# Allegro board parallella_layout.brd (continued)
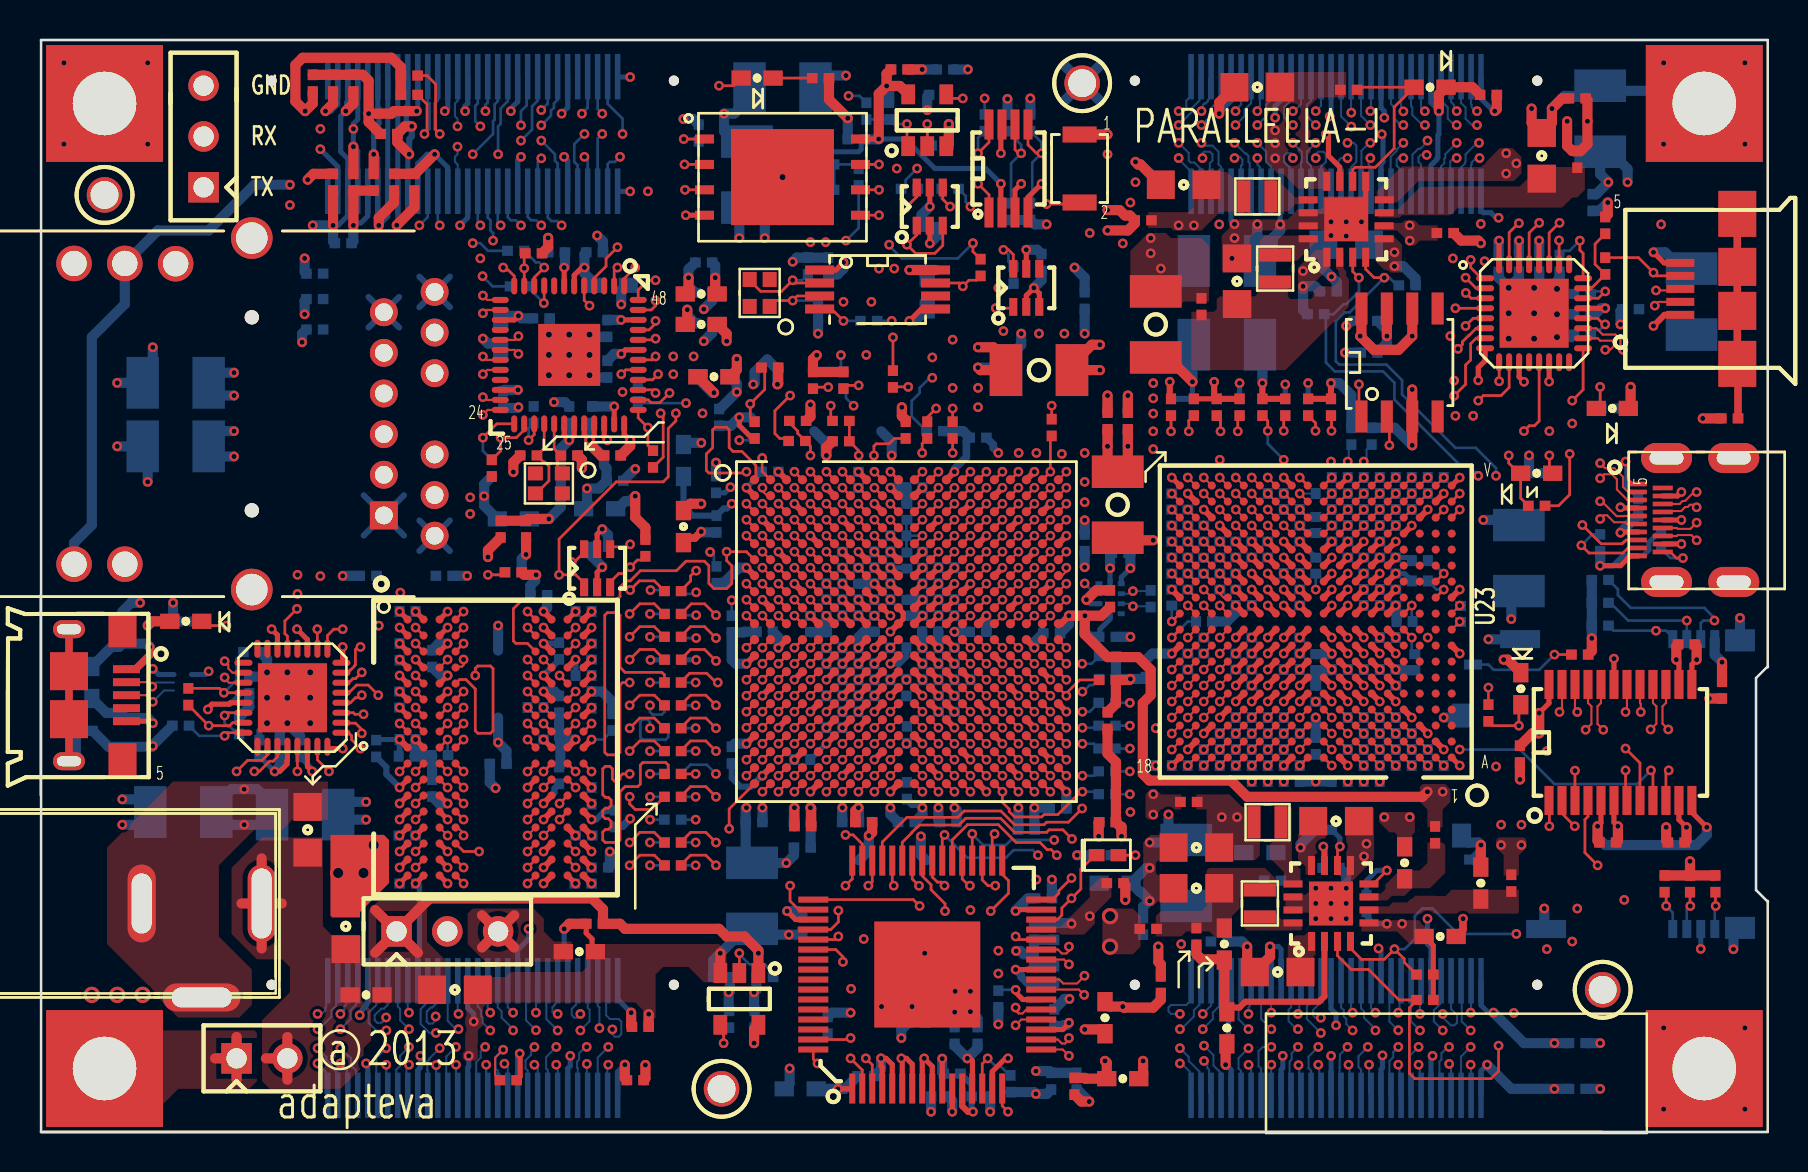
[diagram p0: board, top side]
## Routing (per net, layer and track width the routed paths; a pad name or vN(x,y) marks a point on that pad's centre or on a via; arc(x,y) is an arc through that point) (continued)
I2C_SCL: length 141.7
  TOP w0.133: v1(79.3,19.18) 80.02,18.46 U37.8 ; v1(65.97,42.72) 65.66,43.03 U30.3 ; U26.35 47.13,12.6 47.41,12.32 v1(47.78,12.32)
  L3_SIG w0.108: v1(71.94,32.82) 71.94,32.13 76.02,28.04 76.02,25.93 74.86,24.77 74.86,23.37 75.36,22.86 76.25,22.86 78.79,20.32 78.79,19.68 v1(79.3,19.18)
  L5_SIG w0.108: v1(65.97,42.72) 65.23,43.46 64.67,43.46 62.16,45.97 57.08,45.97 55.04,48.01 50.85,48.01 50.6,48.26 48.95,48.26 48.66,48.55 44.77,48.55 44.12,49.2 35.74,49.2 35.32,48.78 29.03,48.78 v1(29.01,48.77) ; v1(79.3,19.18) 78.79,18.67 78.79,17.53 80,16.32 80,6.72 79.43,6.15 79.43,2.67 77.85,1.09 51.54,1.09 50.29,2.34 49.52,2.34 49.14,2.72 49.14,3.73 48.63,4.24 48.19,4.24 47.42,5 47.42,9.78 48.06,10.41 48.06,12.04 v1(47.78,12.32)
  BOTTOM w0.133: J13.3 28.39,48.41 28.5,48.51 28.76,48.51 v1(29.01,48.77) ; v1(65.97,42.72) 65.97,42.04 65.33,41.4 65.2,41.4 64.7,40.89 R284.2 64.32,40.81 64.32,38.48 64.76,38.04 67.17,38.04 67.74,37.47 67.74,36.63 71.05,33.32 71.43,33.32 v1(71.94,32.82)
I2C_SDA: length 125.2
  TOP w0.133: v1(67.24,42.72) 66.73,42.72 66.31,43.14 U30.4 ; v1(46.63,14.91) U26.36 ; U37.9 80.67,17.98 v1(80.57,18.08)
  L3_SIG w0.108: v1(80.57,18.08) 79.81,18.85 79.81,19.43 79.17,20.07 79.17,20.45 76.38,23.24 75.62,23.24 75.32,23.54 75.32,24.72 76.47,25.87 76.47,28.23 72.82,31.88 v1(72.82,32.82) ; v1(50.73,14.61) 51.36,15.24 52.25,15.24 54.41,17.4 55.04,17.4 55.43,17.78 56.62,17.78 57,18.16 57,18.48 57.24,18.72 58.36,18.72 58.6,18.96 58.6,19.31 58.83,19.53 70.6,19.53 v1(71.01,19.13)
  L5_SIG w0.108: v1(67.24,42.72) 65.89,44.07 64.57,44.07 62.28,46.35 57.33,46.35 55.43,48.26 55.43,48.64 55.04,49.02 54.28,49.02 53.65,48.39 50.98,48.39 50.85,48.51 49.84,48.51 49.58,48.77 49.58,49.02 49.2,49.4 46.66,49.4 46.41,49.15 44.76,49.15 44.25,49.66 43.47,49.66 43.23,49.9 42.53,49.9 42.34,50.09 41.38,50.09 40.95,49.66 35.61,49.66 35.11,49.15 29.9,49.15 v1(29.14,49.91)
  BOTTOM w0.133: v1(46.63,14.91) 46.63,14.9 47.17,14.35 48.31,14.35 48.57,14.61 v1(50.73,14.61) ; v1(80.57,18.08) 79.89,17.4 75.75,17.4 74.02,19.13 v1(71.01,19.13) ; J13.4 28.39,51.42 29.14,50.67 v1(29.14,49.91) ; R285.2 67.87,42.34 67.49,42.72 v1(67.24,42.72) 65.5,40.98 65.24,40.98 64.81,40.55 64.81,38.55 64.98,38.38 67.34,38.38 68.13,37.59 68.13,36.88 70.79,34.21 71.81,34.21 72.82,33.2 v1(72.82,32.82)
JTAG_BOOT_EN: length 24.5
  L5_SIG w0.108: v1(22.02,45.34) 22.79,46.1 27.36,46.1 27.87,45.59 30.79,45.59 31.68,44.7 33.45,44.7 34.22,43.94 39.68,43.94 v1(40.31,44.58)
  BOTTOM w0.133: v1(22.02,45.34) 21.89,45.47 J13.29 ; R97.2 40.95,45.21 v1(40.31,44.58)
JTAG_TCK: length 39.9
  TOP w0.133: U2.F9 v1(41.73,29.02)
  L8_SIG w0.108: v1(41.73,29.02) 42.14,29.42 42.14,34.23 41.92,34.44 41.92,38.27 v1(41.33,38.86)
  L10_SIG w0.108: v1(41.33,38.86) 40.87,38.4 38.66,38.4 37.95,39.12 36.12,39.12 34.85,40.39 32.57,40.39 32.23,40.73 32.21,40.73 31.68,41.26 31.68,41.4 31.1,41.98 28.77,41.98 27.61,40.82 24.77,40.82 22.77,42.82 22.77,43.7 22.15,44.32 22.15,44.58 21.88,44.85 19.5,44.85 19.48,44.83 v1(18.98,45.34)
  BOTTOM w0.133: v1(18.98,45.34) 19.39,45.76 J13.39
JTAG_TDI: length 50.1
  TOP w0.133: U2.G6 v1(39.33,28.22) ; R9.1 19.36,52.83 19.79,52.4 19.79,50.12 v1(19.99,49.91)
  L5_SIG w0.108: v1(21.52,30.91) 22.41,30.91 22.91,31.42 29.59,31.42 29.61,31.4 30.39,31.4 30.8,31.82 37.1,31.82 37.34,31.58 37.34,31.26 37.57,31.02 37.92,31.02 38.14,30.8 38.14,29.66 38.37,29.42 38.69,29.42 38.93,29.18 38.93,28.62 v1(39.33,28.22)
  L8_SIG w0.108: v1(21.52,30.91) 22.21,30.91 22.66,31.36 22.66,34.54 22.64,34.56 22.64,34.89 23.17,35.41 23.17,40.94 22.72,41.39 21.77,41.39 21.25,41.91 21.25,43.07 20.5,43.81 20.5,48.51 20.25,48.77 20.25,49.66 v1(19.99,49.91)
  BOTTOM w0.133: J13.38 19.89,51.59 19.74,51.44 19.74,50.16 v1(19.99,49.91)
JTAG_TDO: length 48.2
  TOP w0.133: R10.1 19.36,51.4 19.36,50.04 v1(19.23,49.91) ; U2.F6 v1(39.33,29.02)
  L5_SIG w0.108: v1(39.33,29.02) 39.33,29.1 38.93,29.5 38.93,30.78 38.69,31.02 38.37,31.02 38.13,31.26 38.13,31.58 37.89,31.82 37.57,31.82 37.34,32.06 37.34,32.38 37.1,32.62 34.72,32.62 34.7,32.64 34.37,32.64 34.34,32.62 31.29,32.62 31.08,32.83 30.75,32.83 30.53,32.62 29.19,32.62 28.36,31.78 22.77,31.78 22.34,31.36 21.9,31.36 v1(21.52,31.74)
  L8_SIG w0.108: v1(21.52,31.74) 21.52,35.04 21.77,35.29 22.41,35.29 22.79,35.67 22.79,40.06 22.47,40.37 21.64,40.37 21.01,41.01 21.01,42.67 19.48,44.2 19.48,47.75 19.23,48.01 v1(19.23,49.91)
  BOTTOM w0.133: v1(19.23,49.91) 19.48,50.16 19.48,51.44 19.39,51.53 J13.40
JTAG_TMS: length 45.7
  TOP w0.133: U2.J6 v1(39.33,26.62)
  L8_SIG w0.108: v1(38.53,44.5) 38.53,40.77 38.41,40.64 38.41,39.75 38.03,39.37 38.03,37.59 39.04,36.58 39.04,34.99 39.74,34.29 39.74,34.29 39.74,31.26 39.97,31.02 40.3,31.02 40.54,30.78 40.54,30.46 40.77,30.22 41.09,30.22 41.33,29.98 41.33,29.19 41.34,29.18 41.34,28.86 41.57,28.62 41.9,28.62 42.13,28.39 42.13,26.46 41.9,26.22 41.78,26.22 41.78,26.22 39.74,26.22 v1(39.33,26.62)
  L10_SIG w0.108: v1(19.99,45.34) 20.75,46.1 28.37,46.1 28.68,45.79 30.84,45.79 31.3,45.34 32.69,45.34 33.07,45.72 37.31,45.72 v1(38.53,44.5)
  BOTTOM w0.133: J13.37 19.89,45.44 v1(19.99,45.34)
MIO_VREF_501: length 3
  TOP w0.133: U2.E11 v1(44.14,29.82)
  BOTTOM w0.133: R63.1 43.34,29 C23.1 ; R63.1 43.34,30.59 R62.2 ; R63.1 43.34,29.82 v1(44.14,29.82)
Net_63: length 0.6
  TOP w0.133: 70.61,30.73 v1(71.01,31.13)
Net_64: length 0.6
  TOP w0.133: 70.61,31.53 v1(71.01,31.93)
Net_76: length 0.6
  TOP w0.133: 69.81,30.73 v1(70.21,31.13)
Net_610: length 0.6
  TOP w0.133: v1(18.79,21.23) 19.19,20.83 19.19,20.83
Net_611: length 0.6
  TOP w0.133: 26.39,20.03 v1(26.79,20.43)
Net_612: length 0.6
  TOP w0.133: 27.19,20.03 v1(27.59,20.43)
P0_USB_24M_REFCLK: length 56.8
  TOP w0.133: U12.26 v1(75.98,44.59)
  L3_SIG w0.108: v1(43.87,48.18) 45.01,47.04 45.01,39.37 45.39,38.99 45.77,38.99 47.42,40.64 50.09,40.64 50.98,41.53 50.98,45.21 54.16,48.39 54.16,50.16 55.68,51.69 72.95,51.69 73.59,51.05 73.59,49.66 75.62,47.62 75.62,45.65 75.6,45.63 75.6,44.96 v1(75.98,44.59)
  BOTTOM w0.133: R99.2 43.3,47.4 43.3,47.61 v1(43.87,48.18)
P0_USB_CLK: length 36.7
  TOP w0.133: U2.A11 v1(44.14,33.02) ; v1(71.55,43.61) 71.55,43.23 72.09,42.69 U12.1
  L5_SIG w0.108: v1(44.14,33.02) 44.57,33.45 44.57,34.4 45.52,35.36 46.98,35.36 49.47,37.85 49.47,40.2 51.18,41.91 58.9,41.91 59.62,41.2 63.49,41.2 64.19,41.9 67.86,41.9 70.16,44.2 70.97,44.2 v1(71.55,43.61)
P0_USB_CPEN: length 17.6
  TOP w0.133: U12.17 77.18,37.12 v1(76.63,36.58) ; U13.1 65.97,35.91 v1(65.97,37.39)
  L5_SIG w0.108: v1(65.97,37.39) 68.62,34.74 68.8,34.74 68.81,34.72 72.27,34.72 72.44,34.54 74.48,34.54 74.73,34.8 74.73,35.43 75.11,35.81 75.87,35.81 v1(76.63,36.58)
P0_USB_D0: length 37.9
  TOP w0.133: v1(71.31,41.96) 71.58,41.69 U12.3 ; U2.A14 v1(46.54,33.02)
  L5_SIG w0.108: v1(71.31,41.96) 72.44,41.96 72.7,41.71 72.7,39.29 71.81,38.4 70.35,38.4 69.4,39.36 69.4,39.8 68.49,40.71 65.08,40.71 64.17,39.8 58.6,39.8 58.11,40.29 53.99,40.29 53.61,39.9 52.91,39.9 51.74,38.73 51.74,38.23 50.74,37.22 50.74,37.2 48.13,34.59 47.64,34.59 47.4,34.36 46.75,34.36 46.47,34.08 46.47,33.08 v1(46.54,33.02)
P0_USB_D1: length 38.2
  TOP w0.133: U2.D15 v1(47.34,30.62) ; v1(70.79,41.19) U12.4
  L5_SIG w0.108: v1(47.34,30.62) 47.74,31.02 48.3,31.02 48.54,31.26 48.54,31.58 48.78,31.82 49.1,31.82 49.34,32.06 49.34,33.21 49.58,33.45 49.89,33.45 50.23,33.8 50.23,34.23 50.68,34.67 51.18,34.67 52.83,36.32 53.65,36.32 53.9,36.58 53.9,37.39 55.11,38.6 64.7,38.6 64.92,38.37 66.76,38.37 68.76,36.37 71.12,36.37 v1(71.68,35.81)
  L8_SIG w0.108: v1(70.79,41.19) 70.79,40.18 71.43,39.55 71.43,36.07 v1(71.68,35.81)
P0_USB_D2: length 34.9
  TOP w0.133: U12.5 71.69,40.69 v1(71.3,40.31) ; U2.A12 v1(44.94,33.02)
  L5_SIG w0.108: v1(71.3,40.31) 70.92,40.69 70.73,40.69 69.78,41.64 64.44,41.64 63.62,40.82 59.36,40.82 58.65,41.53 51.44,41.53 50.47,40.56 50.47,38.28 47.71,35.52 47.52,35.52 47.04,35.04 45.65,35.04 44.94,34.33 v1(44.94,33.02)
P0_USB_D3: length 39.6
  TOP w0.133: U2.F12 v1(44.94,29.02) ; U12.6 72.27,40.18 71.82,40.18 71.49,39.85 71.47,39.85 71.14,39.52 71.14,39.39 v1(70.92,39.17)
  L5_SIG w0.108: v1(70.92,39.17) 70.92,39.62 70.94,39.64 70.94,39.97 70.7,40.2 70.65,40.2 69.52,41.33 64.57,41.33 63.74,40.5 59.04,40.5 58.4,41.15 51.69,41.15 50.84,40.29 50.84,38.2 47.74,35.1 47.48,35.1 47.16,34.78 45.76,34.78 45.25,34.26 45.25,33.52 45.34,33.43 45.34,29.42 v1(44.94,29.02)
P0_USB_D4: length 32.7
  TOP w0.133: U2.C16 v1(48.14,31.42) ; U12.7 71.83,39.69 71.55,39.42 71.55,38.61 71.3,38.35 71.3,37.39 v1(70.73,36.82)
  L5_SIG w0.108: v1(70.73,36.82) 69.65,36.82 68.89,37.58 68.06,37.58 67.06,38.58 65.03,38.58 64.7,38.91 54.92,38.91 53.34,37.34 52.25,37.34 51.87,36.96 51.87,35.86 50.93,34.92 50.04,34.92 49.35,34.23 49.35,33.72 49.08,33.45 48.69,33.45 48.54,33.3 48.54,32.03 48.28,31.77 48.28,31.57 v1(48.14,31.42)
P0_USB_D5: length 45
  TOP w0.133: U2.A10 v1(42.53,33.02) ; U12.9 v1(72.98,37.54)
  L3_SIG w0.108: v1(72.25,43.55) 72.98,42.82 v1(72.98,37.54)
  L5_SIG w0.108: v1(72.25,43.55) 71.1,44.7 70.11,44.7 67.62,42.21 64.06,42.21 63.43,41.58 59.74,41.58 59.03,42.29 50.8,42.29 48.58,40.07 48.58,37.34 46.98,35.74 45.46,35.74 44.6,34.89 44.4,34.89 v1(42.53,33.02)
P0_USB_D6: length 39
  TOP w0.133: U2.E13 v1(45.74,29.82) ; U12.10 73.48,37.23 73.08,36.83 72.19,36.83 v1(71.94,36.58)
  L5_SIG w0.108: v1(71.94,36.58) 71.43,37.08 71.43,37.64 71.05,38.02 69.84,38.02 69.4,38.47 68.82,38.47 67.97,39.33 67.97,39.9 67.62,40.25 65.84,40.25 65.39,39.8 64.7,39.8 64.43,39.53 54.57,39.53 53.9,38.86 52.38,38.86 52.12,38.61 52.12,38.1 51.11,37.08 51.11,36.2 50.47,35.56 49.53,35.56 48.33,34.36 47.77,34.36 47.75,34.34 47.68,34.34 47.42,34.09 47.42,33.71 46.94,33.22 46.94,30.46 46.7,30.22 46.14,30.22 v1(45.74,29.82)
P0_USB_D7: length 35.4
  TOP w0.133: v1(74.22,35.05) 74.49,35.32 74.74,35.32 74.98,35.55 U12.13 ; U2.C18 v1(49.74,31.42)
  L5_SIG w0.108: v1(49.74,31.42) 49.93,31.61 49.99,31.61 50.2,31.82 50.7,31.82 50.93,32.06 50.93,32.38 51.17,32.62 51.54,32.62 51.74,32.82 51.74,34.21 52.83,35.31 54.79,35.31 55.17,35.69 55.17,37.64 55.48,37.95 64.71,37.95 64.82,37.83 66.28,37.83 68.95,35.17 72.05,35.17 72.57,35.69 73.59,35.69 v1(74.22,35.05)
P0_USB_DIR: length 46.5
  TOP w0.133: U12.31 73.48,44.98 73.95,45.45 v1(73.97,45.45) ; U2.C13 v1(45.74,31.42)
  L3_SIG w0.108: v1(70.67,43.69) 71.3,44.32 71.3,44.58 71.68,44.96 72.44,44.96 72.7,45.21 73.73,45.21 v1(73.97,45.45)
  L5_SIG w0.108: v1(45.74,31.42) 45.74,31.66 46.14,32.06 46.14,34.2 46.51,34.57 47.31,34.57 47.63,34.89 47.97,34.89 51.36,38.28 51.36,39.24 51.74,39.62 51.74,40.18 52.33,40.77 58.27,40.77 58.92,40.12 63.93,40.12 64.82,41.01 68.95,41.01 70.03,39.93 70.03,39.23 70.54,38.72 71.36,38.72 71.94,39.29 71.94,40.69 70.79,41.83 70.79,43.56 v1(70.67,43.69)
P0_USB_DN: length 8.3
  TOP w0.102: v1(79.17,39.12) 79.05,39.24 79.05,39.62 78.79,39.88 78.16,39.88 77.84,40.19 U12.19 ; v1(80.76,41.33) 80.95,41.51 J6.2
  L3_SIG w0.095: v1(79.17,39.12) 78.9,39.12 78.72,39.3 78.72,39.56 78.85,39.69 79.41,39.69 80.12,40.4 80.12,41.33 80.32,41.53 80.49,41.53 80.7,41.33 v1(80.76,41.33)
P0_USB_DP: length 8.2
  TOP w0.102: U12.18 77.91,39.69 78.03,39.57 78.67,39.57 78.72,39.52 78.72,39.3 78.53,39.12 v1(78.29,39.12) ; J6.3 81.96,42.09 v1(80.83,42.09)
  L3_SIG w0.095: v1(78.29,39.12) 78.41,39.24 78.41,39.74 78.67,40 79.29,40 79.82,40.53 79.82,41.46 80.44,42.09 v1(80.83,42.09)
P0_USB_FLAG: length 10.6
  TOP w0.133: R335.1 74.06,31.7 CR5.1 73.97,32.94 73.46,33.45 v1(73.46,33.83) ; U13.2 67.49,35.65 v1(67.49,34.34)
  L5_SIG w0.108: v1(67.49,34.34) 68,33.83 v1(73.46,33.83)
P0_USB_ID: length 4.1
  TOP w0.133: R85.2 79.95,43.73 v1(80.7,42.98) 80.86,42.81 J6.4
P0_USB_NXT: length 39.9
  TOP w0.133: U2.E16 v1(48.14,29.82) ; U12.2 71.83,42.19 v1(71.3,42.72)
  L3_SIG w0.108: v1(71.3,42.72) 71.81,42.21 71.81,40.01 71.6,39.8 v1(70.54,39.8)
  L5_SIG w0.108: v1(48.14,29.82) 48.54,30.22 49.1,30.22 49.34,30.46 49.34,31.58 49.58,31.82 49.9,31.82 50.14,32.06 50.14,33.25 50.6,33.71 50.6,34.04 50.98,34.42 51.44,34.42 52.83,35.81 54.28,35.81 54.86,36.39 54.86,37.84 55.3,38.28 64.7,38.28 64.89,38.09 66.54,38.09 68.81,35.81 v1(70.79,35.81)
  L8_SIG w0.108: v1(70.54,39.8) 70.33,39.6 70.33,36.27 v1(70.79,35.81)
P0_USB_STP: length 41.9
  TOP w0.133: v1(74.98,45.47) 74.48,44.96 U12.29 ; U2.C15 v1(47.34,31.42)
  L5_SIG w0.108: v1(47.34,31.42) 47.74,31.82 47.74,33.26 47.93,33.45 48.06,33.45 48.33,33.72 48.33,33.98 49.66,35.31 50.68,35.31 51.49,36.12 51.49,36.96 52.5,37.97 52.5,38.35 52.76,38.61 54.16,38.61 54.78,39.23 64.62,39.23 64.87,39.48 65.59,39.48 65.84,39.23 67.05,39.23 68.38,37.9 69.2,37.9 69.52,37.58 v1(70.73,37.58)
  L10_SIG w0.108: v1(70.73,37.58) 72.76,39.61 72.76,42.6 73.46,43.29 73.78,43.29 74.48,43.99 74.48,44.96 v1(74.98,45.47)
P0_VBUS: length 7.5
  TOP w0.305: v1(80.7,40.31) 81.25,40.86 J6.1
  TOP w0.508: U13.6 v1(68.63,39.8) 67.95,39.12 66.72,39.12 v1(66.03,39.8) 66.09,39.87 U13.8
P1_USB_24M_REFCLK: length 62.9
  TOP w0.133: v1(9.83,18.03) 10.38,18.59 11.1,18.59 11.38,18.86 U17.26
  L3_SIG w0.108: v1(9.83,18.03) 10.72,18.92 10.72,23.43 12.41,25.12 12.41,28.54 12.82,28.94 17.2,28.94 19.04,30.78 20.5,30.78 20.94,31.23 20.94,31.93 21.33,32.31 21.33,32.32 22.55,33.54 22.55,35.32 22.79,35.56 22.79,40.64 24.55,42.41 27.23,42.41 28.56,43.74 29.26,43.74 30.41,44.88 v1(30.41,47.04)
  L5_SIG w0.108: v1(46.54,46.28) 46.14,46.68 41.07,46.68 41.01,46.61 32.82,46.61 32.71,46.72 31.82,46.72 31.5,47.04 v1(30.41,47.04)
  BOTTOM w0.133: R110.2 46.3,46.81 46.3,46.51 v1(46.54,46.28)
P1_USB_CLK: length 47.6
  TOP w0.133: U2.B12 v1(44.94,32.22) ; v1(16.03,19.18) 15.59,19.62 15.59,19.81 15.43,19.97 U17.1
  L8_SIG w0.108: v1(14.02,27.8) 14.02,27.23 16.94,24.31 16.94,22.86 17.33,22.48 17.33,21.21 17.71,20.82 18.15,20.82 18.38,20.59 18.38,20.26 18.15,20.03 16.88,20.03 v1(16.03,19.18)
  L10_SIG w0.108: v1(44.94,32.22) 44.74,32.03 44.68,32.03 44.47,31.82 43.74,31.82 42.94,31.02 31.78,31.02 29.76,28.99 28.26,28.99 27.61,29.64 21.96,29.64 20.53,28.21 14.43,28.21 v1(14.02,27.8)
P1_USB_D0: length 37.2
  TOP w0.133: v1(16.18,20.89) 15.75,20.89 15.67,20.97 U17.3 ; U2.F13 v1(45.74,29.02)
  L10_SIG w0.108: v1(45.74,29.02) 45.74,28.78 45.33,28.38 45.33,28.06 45.1,27.82 44.78,27.82 44.53,27.58 44.53,27.26 44.29,27.02 43.93,27.02 43.68,26.76 43.68,25.77 43.33,25.42 42.38,25.42 41.96,25.01 35.67,25.01 35.67,25 35.09,25 34.39,24.3 32.65,24.3 32.59,24.37 28.2,24.37 27.87,24.03 20.1,24.03 19.29,23.23 17.82,23.23 17.11,22.51 16.04,22.51 15.67,22.15 15.67,21.39 15.69,21.39 v1(16.18,20.89)
P1_USB_D1: length 40.3
  TOP w0.133: U17.4 15.53,21.47 15.78,21.72 15.9,21.72 16.03,21.84 v1(16.09,21.84) ; U2.B15 v1(47.34,32.22)
  L10_SIG w0.108: v1(47.34,32.22) 46.93,31.82 46.93,30.46 46.7,30.22 46.38,30.22 46.13,29.98 46.13,28.06 45.89,27.82 45.57,27.82 45.33,27.58 45.33,27.26 45.09,27.02 44.77,27.02 44.53,26.78 44.53,25.61 44.06,25.13 43.49,25.13 42.98,24.62 42.37,24.62 42.37,24.63 35.17,24.63 34.56,24.02 28.77,24.02 27.98,23.23 20.22,23.23 20.16,23.17 20.16,23.16 19.99,22.99 19.99,22.66 19.76,22.43 17.32,22.43 17.2,22.3 16.55,22.3 v1(16.09,21.84)
P1_USB_D2: length 39.9
  TOP w0.133: v1(16.92,21.84) 16.41,22.35 15.84,22.35 15.45,21.97 U17.5 ; U2.D16 v1(48.14,30.62)
  L10_SIG w0.108: v1(48.14,30.62) 47.94,30.43 47.88,30.43 47.68,30.22 47.18,30.22 46.94,29.98 46.94,28.06 46.7,27.82 46.37,27.82 46.14,27.58 46.14,27.26 45.9,27.02 45.57,27.02 45.34,26.78 45.34,25.65 44.31,24.63 43.74,24.63 42.93,23.82 35.17,23.82 34.47,23.11 32.57,23.11 32.47,23.21 28.73,23.21 27.94,22.43 20.22,22.43 19.99,22.19 19.99,22.14 19.48,21.63 17.13,21.63 v1(16.92,21.84)
P1_USB_D3: length 39.4
  TOP w0.133: v1(16.09,22.99) 15.78,22.67 15.65,22.67 15.45,22.47 U17.6 ; U2.B14 v1(46.54,32.22)
  L3_SIG w0.108: v1(16.94,25.32) 15.74,25.32 15.61,25.2 15.61,23.11 15.74,22.99 v1(16.09,22.99)
  L10_SIG w0.108: v1(16.94,25.32) 17.25,25.63 19.41,25.63 20.25,26.47 32.52,26.47 32.54,26.44 33.89,26.44 34.46,27.02 41.9,27.02 42.14,27.26 42.14,27.58 42.38,27.82 42.7,27.82 42.93,28.06 42.93,28.07 43.55,28.69 43.55,29.04 43.93,29.42 44.29,29.42 44.53,29.66 44.53,29.98 44.77,30.22 45.09,30.22 45.33,30.46 45.33,30.78 45.57,31.02 45.89,31.02 46.13,31.26 46.13,31.58 46.54,31.98 v1(46.54,32.22)
P1_USB_D4: length 37.2
  TOP w0.133: U2.D14 v1(46.54,30.62) ; U17.7 15.37,22.97 15.51,23.1 15.53,23.1 15.75,23.31 15.75,23.34 15.78,23.37 15.78,24.13 15.9,24.26 v1(16.03,24.26)
  L10_SIG w0.108: v1(16.03,24.26) 16.26,24.03 19.33,24.03 20.13,24.83 27.99,24.83 28.36,25.2 34.53,25.2 34.72,25.39 41.87,25.39 42.14,25.66 42.14,25.98 42.37,26.22 42.86,26.22 43.3,26.66 43.3,27.14 43.97,27.82 44.29,27.82 44.53,28.06 44.53,28.4 44.75,28.62 45.1,28.62 45.33,28.86 45.33,29.98 45.57,30.22 45.89,30.22 46.3,30.62 v1(46.54,30.62)
P1_USB_D5: length 36.5
  TOP w0.133: v1(15.14,25.15) 14.7,25.15 14.38,24.83 U17.9 ; U2.C12 v1(44.94,31.42)
  L10_SIG w0.108: v1(44.94,31.42) 44.78,31.26 44.78,31.02 44.53,30.78 44.53,30.46 44.29,30.22 43.93,30.22 43.93,30.18 42.93,29.18 42.93,28.86 42.7,28.62 34.78,28.62 34.66,28.5 31.23,28.5 30.23,27.5 28.71,27.5 28.28,27.07 23.96,27.07 22.77,28.26 21.98,28.26 21.83,28.12 21.83,27.48 21.64,27.29 18.6,27.29 18.47,27.42 17.41,27.42 v1(15.14,25.15)
P1_USB_D6: length 38.3
  TOP w0.133: U2.B13 v1(45.74,32.22) ; v1(13.87,25.15) 13.87,24.17 U17.10
  L10_SIG w0.108: v1(13.87,25.15) 14.35,25.15 16.94,27.74 20.63,27.74 22.04,29.15 23.09,29.15 23.87,28.37 25.07,28.37 25.39,28.05 25.39,27.74 25.66,27.47 27.23,27.47 27.61,27.85 29.95,27.85 31.52,29.42 42.7,29.42 42.93,29.66 42.93,29.97 43.42,30.47 43.42,30.51 43.93,31.02 44.29,31.02 44.53,31.26 44.53,31.58 44.77,31.82 45.33,31.82 v1(45.74,32.22)
P1_USB_D7: length 38.6
  TOP w0.133: U17.13 12.38,24.8 12.25,24.93 12.25,25.55 v1(12.85,26.16) ; U2.B9 v1(41.73,32.22)
  L5_SIG w0.108: v1(41.73,32.22) 41.33,32.62 39.16,32.62 38.93,32.86 38.93,33.18 38.7,33.42 38.32,33.42 37.39,34.34 35.98,34.34 34.84,33.2 34.09,33.2 33.97,33.08 33.65,33.08 33.53,33.2 30.64,33.2 30.26,33.58 29.39,33.58 29.01,33.2 28.37,33.2 27.87,32.69 27.1,32.69 26.6,32.18 22.39,32.18 22.38,32.2 21.34,32.2 21.07,31.93 21.07,28.56 18.98,26.47 16.82,26.47 16.51,26.16 v1(12.85,26.16)
P1_USB_DIR: length 45.7
  TOP w0.133: U2.C17 v1(48.94,31.42) ; U17.31 13.88,18.61 v1(14.45,18.03)
  L10_SIG w0.108: v1(48.94,31.42) 48.53,31.02 48.53,30.4 48.35,30.22 47.97,30.22 47.73,29.98 47.73,28.06 47.5,27.82 47.18,27.82 46.94,27.58 46.94,27.26 46.7,27.02 46.38,27.02 46.14,26.78 46.14,25.66 45.9,25.42 45.58,25.42 44.54,24.38 44.54,24.06 44.3,23.82 43.98,23.82 43.17,23.02 35.17,23.02 35.03,22.88 32.42,22.88 32.36,22.94 29.3,22.94 27.99,21.63 20.11,21.63 19.74,21.26 19.74,19.48 18.85,18.59 15.01,18.59 v1(14.45,18.03)
P1_USB_DN: length 12.4
  TOP w0.102: v1(9.24,22.73) 9.24,22.68 9.45,22.47 U17.19 ; J7.2 5.4,22.49 v1(5.62,22.28)
  L10_SIG w0.095: v1(5.62,22.28) 5.87,22.02 6.28,22.02 6.91,22.66 6.91,23.47 7.8,24.36 10.09,24.36 10.47,23.98 10.47,23.11 10.16,22.81 9.31,22.81 v1(9.24,22.73)
  BOTTOM w0.102: v1(5.62,22.28) 5.82,22.48 6.7,22.48
P1_USB_DP: length 12.1
  TOP w0.102: J7.3 5.31,21.84 v1(5.64,21.51) ; U17.18 9.63,22.97 9.42,23.18 9.42,23.36 v1(9.24,23.55)
  L10_SIG w0.095: v1(5.64,21.51) 5.84,21.72 6.4,21.72 7.22,22.53 7.22,23.34 7.93,24.05 9.96,24.05 10.16,23.85 10.16,23.24 10.04,23.11 9.36,23.11 9.24,23.24 v1(9.24,23.55)
  BOTTOM w0.102: v1(5.64,21.51) 6.21,22.08 6.7,22.08
P1_USB_NXT: length 42.1
  TOP w0.133: v1(16.09,19.94) 16.09,20.13 15.78,20.45 15.1,20.45 U17.2 ; U2.A9 v1(41.73,33.02)
  L3_SIG w0.108: v1(16.09,19.94) 14.59,21.44 14.59,25.97 15,26.38 17.43,26.38 v1(18.02,26.97)
  L5_SIG w0.108: v1(41.73,33.02) 41.34,33.42 40.47,33.42 39.17,34.72 35.74,34.72 34.98,33.96 33.52,33.96 33.33,33.77 31.04,33.77 30.79,34.02 28.82,34.02 28.56,33.77 26.28,33.77 25.07,32.56 21.2,32.56 20.69,32.05 20.69,28.88 19.55,27.74 18.79,27.74 v1(18.02,26.97)
P1_USB_STP: length 42
  TOP w0.133: U2.E12 v1(44.94,29.82) ; v1(12.88,18.03) U17.29
  L10_SIG w0.108: v1(12.88,18.03) 12.88,18.35 15.04,20.51 15.04,23.11 15.54,23.61 15.54,24.43 15.94,24.83 18.15,24.83 18.16,24.82 18.6,24.82 18.61,24.83 19.43,24.83 20.22,25.63 21.9,25.63 22.1,25.83 23.6,25.83 23.8,25.63 29.21,25.63 29.34,25.5 32.44,25.5 32.49,25.45 34.2,25.45 34.98,26.22 41.9,26.22 42.14,26.46 42.14,26.78 42.38,27.02 42.7,27.02 42.93,27.26 42.93,27.58 43.93,28.58 43.93,28.62 44.3,28.62 44.53,28.86 44.53,29.18 44.94,29.58 v1(44.94,29.82)
PB_RESET_L: length 23.9
  TOP w0.133: SW2.2 51.92,46.41 v1(50.35,46.41) ; v1(46.92,47.42) 47.46,46.87 U34.1
  L5_SIG w0.108: v1(50.35,46.41) 47.93,46.41 v1(46.92,47.42)
  L8_SIG w0.108: v1(40.06,38.85) 39.78,39.13 39.78,45.36 41.07,46.66 42.22,46.66 42.47,46.91 42.47,47.8 v1(42.85,48.18) 43.61,47.42 v1(46.92,47.42)
  BOTTOM w0.133: R95.1 40.06,38.14 v1(40.06,38.85)
PHY_ACTIVITY: length 27.8
  L3_SIG w0.108: 4.24,28.4 8.65,32.8 8.65,33.74 9.32,34.42 10.26,34.42 15.29,39.45 15.29,41.66 17.06,43.42 20.64,43.42 21.26,42.8 v1(22.14,42.8)
  BOTTOM w0.133: v1(22.14,42.8) 22.64,42.29 R73.2
PHY_CNFG: length 1.7
  TOP w0.133: R74.1 24.22,43.89 v1(24.22,43.19) U9.11
PHY_LED0: length 2.5
  TOP w0.133: U9.10 24.72,42.73 v1(25.22,43.23)
  BOTTOM w0.133: v1(25.22,43.23) 24.97,43.48 24.81,43.48 R72.1
PHY_LED1: length 2.1
  TOP w0.133: v1(25.2,41.45) 25.22,41.47 U9.9
  BOTTOM w0.133: R73.1 24.36,42.29 v1(25.2,41.45)
PHY_LINK: length 23.4
  L3_SIG w0.108: 1.7,43.43 3.05,42.09 7.8,42.09 8.82,43.1 14.02,43.1 14.86,43.94 20.5,43.94 21.01,44.45 v1(21.64,44.45)
  BOTTOM w0.133: v1(21.64,44.45) 22.02,44.45 22.41,44.07 R72.2
PHY_MDI0N: length 9.4
  TOP w0.102: v1(22.15,36.75) 22.29,36.61 U9.23
  L5_SIG w0.095: J5.10 19.74,38.91 19.53,39.12 18.85,39.12 18.65,38.91 18.65,36.5 18.77,36.37 22.02,36.37 22.15,36.5 v1(22.15,36.75)
PHY_MDI0P: length 9.4
  TOP w0.102: U9.24 22.39,36.11 22.15,35.87 v1(22.15,35.86)
  L5_SIG w0.095: J5.11 19.18,39.42 18.72,39.42 18.34,39.04 18.34,36.37 18.65,36.07 21.95,36.07 v1(22.15,35.86)
PHY_MDI1N: length 8.4
  TOP w0.102: v1(22.15,38.78) 22.32,38.61 U9.19
  L8_SIG w0.095: J5.5 17.2,38.66 17.78,38.07 18.47,38.07 18.77,37.77 18.77,37.26 19.1,36.93 20.63,36.93 20.96,37.26 20.96,38.06 21.39,38.49 21.86,38.49 v1(22.15,38.78)
PHY_MDI1P: length 8.5
  TOP w0.102: U9.20 22.37,38.11 v1(22.15,37.9)
  L8_SIG w0.095: v1(22.15,37.9) 21.86,38.19 21.52,38.19 21.26,37.93 21.26,37.13 20.75,36.63 18.98,36.63 18.47,37.13 18.47,37.64 18.34,37.77 17.71,37.77 17.2,37.26 J5.4
PHY_MDI2N: length 14.3
  TOP w0.102: U9.17 23.74,39.61 v1(23.93,39.8)
  L5_SIG w0.095: J5.2 17.48,33.15 18.34,33.15 18.77,33.58 18.77,34.6 19.29,35.11 22.44,35.11 23.34,36.02 23.34,37.52 23.93,38.1 24.44,38.1 24.87,38.53 24.87,39.17 24.53,39.51 24.22,39.51 v1(23.93,39.8)
PHY_MDI2P: length 14.2
  TOP w0.102: v1(23.93,38.91) 23.73,39.11 U9.18
  L5_SIG w0.095: J5.3 17.58,34.52 17.58,33.83 17.96,33.45 18.21,33.45 18.47,33.71 18.47,34.72 19.16,35.42 22.31,35.42 23.04,36.14 23.04,37.64 23.8,38.4 24.31,38.4 24.56,38.66 24.56,39.04 24.4,39.2 24.22,39.2 v1(23.93,38.91)
PHY_MDI3N: length 12.1
  TOP w0.102: v1(22.15,41.83) 22.37,41.61 U9.13
  L3_SIG w0.095: J5.9 19.74,33.71 20.45,32.99 20.75,32.99 20.96,33.2 20.96,41.07 21.43,41.54 21.86,41.54 v1(22.15,41.83)
PHY_MDI3P: length 12.2
  TOP w0.102: U9.14 22.32,41.11 v1(22.15,40.94)
  L3_SIG w0.095: v1(22.15,40.94) 21.86,41.23 21.55,41.23 21.26,40.94 21.26,33.07 20.88,32.69 20.12,32.69 19.74,32.31 J5.8
PHY_RSET: length 3.1
  TOP w0.133: U9.25 22.84,35.41 v1(22.15,34.72)
  BOTTOM w0.133: v1(22.15,34.72) 22.15,34.06 R79.1
PROG_IO: length 99.7
  TOP w0.133: U2.N20 v1(51.34,22.62)
  L3_SIG w0.108: v1(22.02,43.69) 22.02,44.07 22.11,44.16 22.11,44.7 22.64,45.23 22.64,45.5 22.66,45.52 22.66,45.85 23.8,46.99 25.33,46.99 26.72,48.39 26.72,49.4 v1(27.23,49.91)
  L10_SIG w0.108: v1(22.02,43.69) 21.64,43.31 21.64,32.64 21.01,32 21.01,29.72 20.12,28.83 13.13,28.83 12.12,27.81 12.12,24.77 11.86,24.51 11.86,19.43 12.37,18.92 12.37,17.91 12.75,17.53 16.94,17.53 17.04,17.62 19.26,17.62 19.61,17.27 19.61,12.57 20.25,11.94 23.17,11.94 24.18,10.92 25.83,10.92 25.96,11.05 26.72,11.05 26.85,10.92 31.42,10.92 33.33,12.83 33.33,13.59 33.58,13.84 34.6,13.84 37.38,16.62 37.9,16.62 38.13,16.85 38.13,17.18 38.37,17.42 38.7,17.42 38.93,17.65 38.93,17.98 39.17,18.22 39.5,18.22 39.73,18.45 39.73,18.78 39.97,19.02 40.3,19.02 40.53,19.25 40.53,19.58 40.76,19.82 41.09,19.82 41.33,20.05 41.33,20.38 41.57,20.62 41.89,20.62 42.13,20.85 42.13,21.18 42.37,21.42 47.5,21.42 47.73,21.18 47.73,20.86 47.97,20.62 49.1,20.62 49.33,20.85 49.33,21.18 49.57,21.42 49.89,21.42 50.13,21.65 50.13,21.98 50.37,22.22 50.69,22.22 51.1,22.62 v1(51.34,22.62)
  BOTTOM w0.133: J13.9 26.89,48.34 26.72,48.51 26.72,49.4 v1(27.23,49.91)
PS_CLK33M: length 24.1
  TOP w0.133: U2.E7 v1(40.13,29.82) ; R55.2 46.66,44.03 v1(46.66,44.45)
  L3_SIG w0.108: v1(42.47,44.37) 42.14,44.37 41.57,43.8 41.57,42.8 41.98,42.39 41.98,41.35 41.96,41.34 41.96,39.62 42.6,38.99 42.6,35.56 43,35.16 43,32.92 42.7,32.62 42.38,32.62 42.13,32.38 42.13,32.06 41.9,31.82 40.78,31.82 40.54,31.58 40.54,30.22 v1(40.13,29.82)
  BOTTOM w0.133: v1(46.66,44.45) 45.9,43.69 43.11,43.69 42.47,44.32 v1(42.47,44.37)
PS_I2C_SCL: length 62.5
  TOP w0.133: U2.N18 v1(49.74,22.62) ; v1(76.76,15.29) 76.12,15.93 U37.2
  L5_SIG w0.108: v1(49.74,22.62) 49.88,22.62 50.28,22.22 51.94,22.22 v1(52.14,22.02) 52.58,22.02 54.11,20.49 54.11,20.02 54.32,19.81 54.54,19.81 54.93,19.41 54.93,15.76 54.66,15.49 54.03,15.49 53.65,15.11 53.65,11.54 54.16,11.03 54.16,9.14 54.08,9.07 54.08,9.04 53.75,8.71 53.72,8.71 53.27,8.26 53.27,4.95 54.28,3.94 54.28,3.17 54.84,2.62 73.79,2.62 74.6,3.43 74.6,6.07 73.79,6.89 73.79,8.59 76,10.79 76,12.85 76.76,13.61 v1(76.76,15.29)
  BOTTOM w0.133: R20.2 52.67,22.35 52.5,22.35 52.17,22.02 v1(52.14,22.02)
PS_I2C_SDA: length 66
  TOP w0.133: U2.N17 v1(48.94,22.62) ; U37.3 v1(76.77,18.07)
  L5_SIG w0.108: v1(76.77,18.07) 76.3,17.6 76.3,13.59 74.73,12.01 74.73,10.03 73.49,8.79 73.49,6.83 74.22,6.1 74.22,3.56 73.59,2.92 56.44,2.92 55.17,4.19 54.78,4.19 53.58,5.38 53.58,8.13 54.79,9.33 54.79,12.19 54.28,12.7 54.28,14.22 54.66,14.61 54.66,15 55.28,15.62 55.28,20.21 54.66,20.83 54.35,20.83 53.46,21.72 53.46,22.09 v1(52.12,23.42)
  L10_SIG w0.108: v1(52.12,23.42) 51.73,23.82 49.57,23.82 49.34,23.58 49.34,23.24 48.94,22.84 v1(48.94,22.62)
  BOTTOM w0.133: R18.2 52.59,23.42 v1(52.12,23.42)
PS_MIO7: length 6
  TOP w0.133: U2.D8 v1(40.93,30.62) ; v1(40.95,33.83) 40.95,34.07 R45.2 R334.1
  L8_SIG w0.108: v1(40.93,30.62) 41.33,31.02 41.33,31.58 41.33,31.59 41.33,32.05 41.33,32.06 41.33,33.45 v1(40.95,33.83)
PS_POR_L: length 82.3
  TOP w0.133: R335.2 75.95,31.32 76.51,31.88 v1(76.51,33.91) ; U33.1 43.36,49.36 v1(43.36,50.41) ; U2.C7 v1(40.13,31.42)
  L3_SIG w0.108: v1(43.36,50.41) 43.36,47.12 42.47,46.23 42.47,45.59 41.2,44.32 41.2,43.31 39.68,41.78 39.68,40.26 40.69,39.24 40.69,38.48 41.46,37.72 41.46,37.08 v1(40.69,36.32)
  L8_SIG w0.108: v1(40.13,31.42) 40.54,31.82 40.54,34.29 40.69,34.45 v1(40.69,36.32) ; v1(43.36,50.41) 43.37,50.41 43.87,49.91 44.63,49.91 44.88,50.16 44.88,50.67 45.27,51.05 46.28,51.05 46.92,51.69 v1(47.25,51.69)
  L10_SIG w0.108: v1(76.51,33.91) 76,34.42 76,35.31 74.86,36.45 74.86,38.1 75.36,38.61 75.36,42.8 75.49,42.93 75.49,48.77 73.84,50.42 73.84,51.18 73.46,51.56 56.57,51.56 55.93,50.93 48.01,50.93 v1(47.25,51.69)
  BOTTOM w0.133: v1(40.69,36.32) 40.31,36.7 40.31,37.05 R95.2 ; R96.2 v1(47.25,51.69) ; R98.1 R326.1 42.7,50.41 v1(43.36,50.41)
